# Altium PCB PCB-ZB206B-0B.PcbDoc (part 6 of 7) (continued)
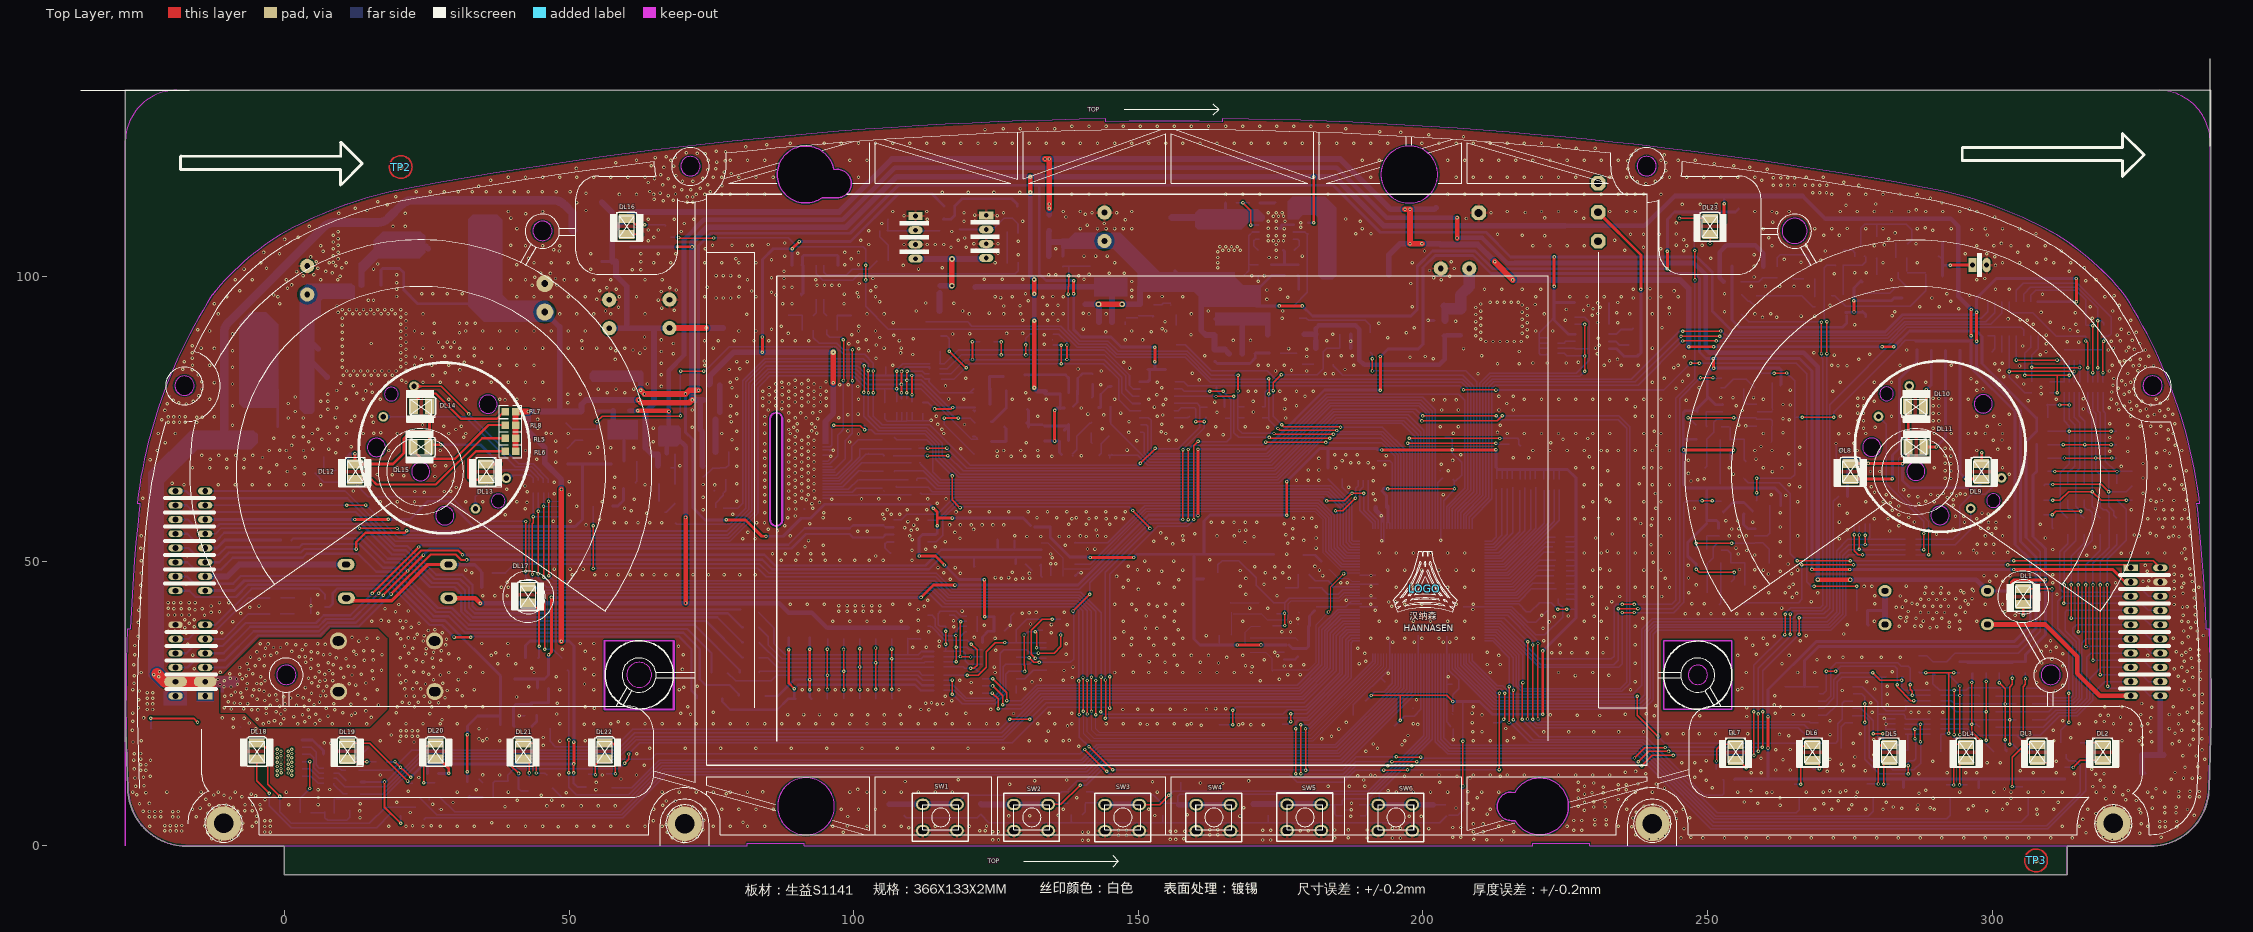
[diagram p0: Top Layer view]
## Nets (pads, with @x,y where several pads share a name; then routed paths per layer and width w, separated by ;. In a path a pad name is that pad's centre, name@x,y a point inside that pad or via, vN(x,y) a via of type N, cw(c..) or ccw(c..) an arc to the next point about the centre after c; other vN are vias at no path point) (continued)
RS1: R4.1 U2.8 U10.74 | length 95.8
  Top Layer w0.25: v1(183.09,60.61) 186.2,60.61 v1@187.53,61.94 ; v1(187.55,61.95) 187.565,61.965 v1(189.586,61.965)
  Bottom Layer w0.25: U2.8@107.018,57.318 108.328,57.318 109.29,58.28 114.693,58.28 117.655,61.242 182.458,61.242 v1(183.09,60.61) ; R4.1@185.81,64.48 185.81,62.983 186.843,61.95 v1(187.55,61.95) v1@187.565,61.965 ; v1@189.535,61.965 189.586,61.914 189.586,59.004 191.65,56.94 U10.74@191.65,55.76
RST: DZ6.1 DZ6.3 J1.5 R34.2 U10.54 | length 38.7
  Top Layer w0.25: v1(175.69,40.86) 175.69,38.76 v1(175.73,38.72)
  Bottom Layer w0.25: J1.5@164,48.01 164,49.41 164.72,50.13 167.664,50.13 170.7,47.094 170.7,45.82 173.802,42.718 DZ6.1@174.344,42.718 175.682,42.718 175.69,42.71 ; R34.2@173.58,38.72 v1(175.73,38.72) ; DZ6.3@174.344,40.818 175.652,40.818 v1@175.67,40.8 ; v1(175.69,40.86) 175.69,42.71 ; U10.54@188.9,44.51 186.181,44.51 185.222,43.552 176.532,43.552 175.69,42.71
SCL: RP3.3 U7.6 U8.6 U10.104 | length 63.1
  Bottom Layer w0.25: U10.104@206.65,55.76 206.65,58.49 209.962,61.802 209.962,81.311 211.709,83.058 226.949,83.058 229.235,85.344 229.235,87.355 ; RP3.3@223.719,87.435 226.649,87.435 U7.6@226.729,87.355 229.235,87.355 ; U8.6@226.659,92.905 228.419,92.905 229.235,92.089 229.235,87.355
SCL_TW8835: R154.2 U10.142 | length 215
  Top Layer w0.25: v1@112.96,68.69 v1(112.96,68.58) v1(116.535,68.58) ; v1(199.83,74.66) 213.03,74.66 v1(213.96,75.59)
  Bottom Layer w0.25: R154.2@106.972,68.577 112.957,68.577 v1(112.96,68.58) ; v1(116.535,68.58) 119.237,65.878 173.965,65.878 184.327,76.24 198.25,76.24 v1(199.83,74.66) ; U10.142@210.9,37.01 212.69,37.01 216.372,33.328 216.372,28.124 217.365,27.132 234.937,27.132 236.33,28.525 236.33,73.67 234.41,75.59 v1(213.96,75.59)
SDA: RP3.4 U7.5 U8.5 U10.105 | length 60.6
  Top Layer w0.25: v1(228.429,83.4) v1(228.429,86.065) v1(228.429,91.615)
  Bottom Layer w0.25: U10.105@207.15,55.76 207.15,58.22 210.54,61.61 210.54,81.127 211.963,82.55 227.579,82.55 v1(228.429,83.4) ; RP3.4@223.719,86.535 224.799,86.535 225.249,86.085 U7.5@226.729,86.085 v1@228.469,86.085 ; U8.5@226.659,91.635 228.479,91.635 v1@228.499,91.615
SDA_TW8835: R155.2 U10.141 | length 208.7
  Top Layer w0.25: v1(113.04,69.9) v1(116.37,69.9) ; v1(199.95,75.54) 212.89,75.54 v1(212.91,75.56)
  Bottom Layer w0.25: R155.2@111.422,70.38 R155.2@111.46,70.38 ; R155.2@111.45,69.9 v1(113.04,69.9) ; v1(116.37,69.9) 119.892,66.378 173.758,66.378 184.137,76.757 198.733,76.757 v1(199.95,75.54) ; U10.141@210.9,37.51 212.904,37.51 216.872,33.542 216.872,28.338 217.577,27.632 234.702,27.632 235.81,28.74 235.81,73.39 234.29,74.91 213.56,74.91 v1(212.91,75.56)
SP-PWM: D29.1 U10.37 | length 211.4
  Top Layer w0.25: v1(177.66,20.6) 177.67,20.59 v1@177.67,12.61 ; v1(193.81,14.1) v1(198.04,14.1) ; v1(238.46,14.1) 240.26,15.9 v1(243.97,15.9) ; v1(258.14,23.55) 258.14,16.02 v1@258.16,16 ; v1@263.65,37.22 263.68,37.25 v1(263.68,40.7) ; v1(270.03,92) 270.03,86.51 v1(270.04,86.5)
  Bottom Layer w0.25: v1@177.61,12.47 178.16,11.92 185.991,11.92 188.171,14.1 v1(193.81,14.1) ; v1@177.67,20.61 177.67,21.69 178.02,22.04 179.94,22.04 187.41,29.51 187.41,35.72 187.7,36.01 U10.37@188.9,36.01 ; v1(198.04,14.1) v1(238.46,14.1) ; v1(243.97,15.9) 244.07,16 v1@258.16,16 ; D29.1@255.97,93.4 257.245,92.125 ; 257.22,92.1 257.24,92.12 269.91,92.12 v1(270.03,92) ; v1(258.14,23.55) 258.14,31.71 v1(263.562,37.132) v1@263.65,37.22 ; v1@263.67,40.73 263.67,40.829 v1@263.78,40.939 ; v1(263.68,40.7) 263.78,40.8 v1@263.78,40.939 ; v1(270.04,86.5) 270.04,85.8 270.256,85.584 270.256,42.266 269.8,41.81 264.651,41.81 v1@263.78,40.939
  other v1: 177.66,12.67 258.17,15.93
SPLIT: C3.1 U1.5 | length 2.6
  Bottom Layer w0.3: U1.5@132.72,49.271 U1.5@132.907,49.458 132.907,47.423 C3.1@133.12,47.21
SW101: C55.2 DZ12.6 R11.2 SW1.1 U10.22 | length 107.4
  Bottom Layer w0.25: C55.2@106.32,7.02 C55.2@106.435,7.135 ; SW1.1@112.142,7.287 SW1.1@112.268,7.287 ; SW1.1@118.053,7.373 119.58,8.9 135.94,8.9 136.53,9.49 DZ12.6@137.83,9.49 ; 137.614,9.754 139.31,11.45 140.871,11.45 144.039,14.618 185.778,14.618 198.15,26.99 U10.22@198.15,33.76
  Bottom Layer w1: C55.2@106.26,7.31 112.142,7.31 SW1.1@112.166,7.31 ; SW1.1@112.142,7.287 SW1.1@112.166,7.31 ; SW1.1@118.142,7.287 118.056,7.373 118.053,7.373 112.228,7.373 SW1.1@112.166,7.31
SW102: C20.2 DZ12.4 R15.2 SW2.1 U10.21 | length 109.2
  Top Layer w0.254: SW2.1@134.152,7.277 136.387,7.277 139.775,10.665 139.785,10.665 v1(139.79,10.66)
  Bottom Layer w0.25: 185.45,14.067 186.007,14.067 198.65,26.71 U10.21@198.65,33.76
  Bottom Layer w0.254: R15.2@122.2,7.19 122.287,7.277 C20.2@124.583,7.277 ; C20.2@124.54,7.34 124.53,7.33 C20.2@124.583,7.277 ; SW2.1@134.942,6.678 SW2.1@134.248,7.372 ; DZ12.4@137.73,7.53 134.406,7.53 SW2.1@134.248,7.372 ; v1(139.79,10.66) 140.85,10.66 141.6,11.41 ; 140.915,10.725 144.257,14.067 185.45,14.067 ; C20.2@124.583,7.277 SW2.1@128.152,7.277 SW2.1@134.152,7.277 SW2.1@134.248,7.372
  Bottom Layer w1: R15.2@122.31,7.42 122.453,7.277 124.583,7.277 SW2.1@134.152,7.277
SW103: C50.2 DZ12.3 R56.2 SW3.1 U10.18 | length 83.9
  Top Layer w0.25: SW3.1@149.78,7.257 153.737,7.257 v1(155.37,8.89)
  Bottom Layer w0.25: R56.2@140.16,5.48 140.67,5.99 DZ12.3@140.67,7.41 ; DZ12.3@140.72,7.58 143.829,7.58 SW3.1@144.152,7.257 ; SW3.1@143.348,6.678 SW3.1@144.02,7.35 ; SW3.1@150.097,7.257 SW3.1@150.1,7.26 ; v1(155.37,8.89) 156.12,9.64 190.42,9.64 200.15,19.37 U10.18@200.15,33.76 ; C50.2@157.47,11.15 157.47,9.69 157.5,9.66
  Bottom Layer w1: SW3.1@144.152,7.257 SW3.1@150.097,7.257
SW104: C88.2 DZ12.1 R73.2 SW4.1 U10.17 | length 91.2
  Top Layer w0.25: SW4.1@166.192,7.237 SW4.1@167.097,7.237
  Bottom Layer w0.2: U10.17@200.65,33.75 U10.17@200.65,33.76
  Bottom Layer w0.25: DZ12.1@140.81,9.51 141.98,9.51 142.52,8.97 152.65,8.97 154.13,7.49 C88.2@156.9,7.49 ; C88.2@156.9,7.32 C88.2@156.9,7.49 ; C88.2@156.985,7.405 C88.2@157.153,7.237 ; U10.17@200.65,33.75 200.65,19.159 190.561,9.07 157.29,9.07 156.9,8.68 C88.2@156.9,7.49
  Bottom Layer w1: C88.2@157.153,7.237 SW4.1@166.192,7.237
SW105: C38.1 DZ9.1 DZ9.3 R42.1 SW5.1 U10.16 | length 54.5
  Bottom Layer w0.25: C38.1@170.11,7.38 C38.1@170.17,7.32 ; SW5.1@182.142,7.297 182.174,7.329 SW5.1@182.21,7.364 ; SW5.1@182.27,7.232 DZ9.3@185.846,7.232 185.846,7.956 186.13,8.24 190.441,8.24 201.043,18.842 ; 184.48,7.19 184.48,5.66 184.808,5.332 DZ9.1@185.846,5.332 ; 201.017,18.817 201.15,18.949 U10.16@201.15,33.78
  Bottom Layer w1: C38.1@170.21,7.36 182.143,7.36 182.174,7.329 182.27,7.232 182.206,7.232 SW5.1@182.142,7.297
SW106: C35.2 DZ9.4 DZ9.6 R31.1 SW6.1 U10.15 | length 58.6
  Top Layer w0.25: SW6.1@198.142,7.247 SW6.1@198.657,7.247
  Top Layer w0.254: SW6.1@192.094,7.294 SW6.1@192.142,7.247
  Bottom Layer w0.2: U10.15@201.65,33.74 U10.15@201.65,33.76
  Bottom Layer w0.25: DZ9.6@188.996,5.307 DZ9.6@189.25,5.307 ; DZ9.6@189.25,5.3 189.9,5.3 190.11,5.51 190.11,6.28 ; 190.11,6.29 190.11,7.247 ; SW6.1@192.32,7.25 192.32,9.409 201.65,18.739 U10.15@201.65,33.74
  Bottom Layer w0.254: DZ9.4@188.84,7.27 188.863,7.247 190.11,7.247 SW6.1@192.142,7.247 ; SW6.1@192.32,7.247 201.797,7.247 C35.2@201.8,7.25 R31.1@204.02,7.25
  Bottom Layer w1: SW6.1@192.142,7.247 192.146,7.25 192.32,7.25 C35.2@201.8,7.25
TV1: C201.2 U21.1 | length 39.6
  Bottom Layer w0.25: U21.1@93.43,102 93.43,100.54 94.58,99.39 99.822,99.39 100.933,100.502 128.402,100.502 128.94,101.04 C201.2@128.94,102.55
TV2: C202.2 U21.2 | length 12
  Bottom Layer w0.25: U21.2@94.66,102 U21.2@94.66,102.05 ; U21.2@94.7,102 94.7,100.78 95.15,100.33 98.781,100.33 99.746,101.295 102.615,101.295 C202.2@104.16,102.84
V: C2.2 C83.2 C104.2 C106.2 C107.2 CP1.1 CP15.1 D2.1 D7.2 L4.1 Q39.3 R2.1 R44.2 R71.2 R110.2 R123.2 R124.2 R176.1 R199.1 | length 451.5
  Top Layer w0.5: v1(246.72,87.7) v1(251.07,87.7) ; v1(280.68,87.7) v1(282.73,87.7)
  Top Layer w1: CP15.1@67.64,90.98 67.66,91 v1(74.07,91) ; v1(133.604,120.688) v1(134.366,120.688) ; v1(134.366,112.014) v1(134.366,112.776) v1@134.366,120.644 ; v1(196.85,111.84) v1(197.739,111.84) v1(197.739,105.791) v1(199.828,105.791) ; v1(212.61,102.667) 212.61,102.63 v1(215.8,99.44)
  Bottom Layer w0.3: R199.1@287.147,33.407 288.561,33.407 R44.2@289.611,32.357 R71.2@292.024,32.357 293.5,33.833 304.597,33.833 308.483,37.719 308.483,51.689 305.943,54.229
  Bottom Layer w0.5: C83.2@55.72,102.65 57.573,102.65 58.24,102.65 C107.2@58.25,102.66 ; v1(251.07,87.7) v1(280.68,87.7) ; v1(282.73,87.7) 285.47,90.44 297.32,90.44 298.24,89.52 298.24,84.74 307.745,75.235 R124.2@307.853,75.235 R123.2@307.853,72.873 305.943,70.963 305.943,54.229
  Bottom Layer w1: C2.2@55.74,113.08 57.573,111.247 C107.2@57.573,102.65 ; CP1.1@57.051,90.957 60.14,90.957 ; D7.2@57.877,108.175 61.081,111.379 97.409,111.379 106.718,120.688 v1(133.604,120.688) v1@133.626,120.688 ; C107.2@58.25,102.66 58.25,100.19 60.14,98.3 60.14,90.957 ; R110.2@65.61,66.82 Q39.3@65.61,68.67 ; Q39.3@65.61,68.75 64.6,68.75 63.43,69.92 63.43,76.19 R2.1@64.92,77.68 64.92,90.78 65.097,90.957 ; CP15.1@67.64,90.98 67.617,90.957 65.097,90.957 ; v1(74.07,91) D2.1@77.08,91 ; v1@133.604,120.71 v1@133.626,120.688 ; R176.1@134.366,110.877 v1(134.366,112.014) v1(134.366,112.776) ; L4.1@194.023,100.33 194.023,103.853 195.961,105.791 v1(197.739,105.791) v1(199.828,105.791) 202.946,105.791 203.077,105.66 209.617,105.66 v1(212.61,102.667) ; C104.2@202.311,112.141 202.01,111.84 v1(197.739,111.84) v1(196.85,111.84) 194.32,111.84 185.472,120.688 v1(134.366,120.688) v1@133.626,120.688 ; v1(215.8,99.44) 245.23,99.44 246.71,97.96 v1@246.71,87.69 ; 60.14,90.957 65.097,90.957
V1: C1.1 Q39.2 R2.2 R17.2 R49.2 R51.2 R52.2 R72.2 R77.2 R80.2 R82.2 R91.2 R92.2 R94.2 R108.2 R109.2 R112.2 R113.2 R119.2 R120.2 R121.2 R122.2 R125.2 R126.2 R166.2 R168.2 | length 529.2
  Top Layer w0.5: v1(303.424,44.81) 303.424,46.376 303.784,46.736 v1(309.372,46.736)
  Top Layer w0.8: R80.2@28.85,43.52 33.53,43.52 v1(34.4,42.65) ; v1(62.06,76.44) 67.41,76.44 v1(67.53,76.32) ; v1(70.46,42.67) v1(70.46,57.7) ; v1@206.01,106.71 v1(206.01,106.81) v1(206.01,110.37) ; v5@269.367,46.78 v5(275.07,46.78)
  Bottom Layer w0.5: R113.2@294.31,32.357 R166.2@296.596,32.357 R91.2@301.295,32.357 R112.2@305.867,32.357 305.867,33.579 309.372,37.084 v1(309.372,46.736) 309.372,52.197 307.213,54.356 R125.2@307.213,58.166 R119.2@307.213,60.706 R121.2@307.213,63.246 307.213,65.146 R122.2@307.853,65.786 R126.2@307.853,70.51 ; 295.707,32.23 R94.2@303.581,32.23 ; R109.2@299.19,44.81 v1(303.424,44.81)
  Bottom Layer w0.8: v1(34.4,42.65) 34.41,42.66 v1@70.45,42.66 ; R17.2@60.57,76.44 v1(62.06,76.44) ; Q39.2@67.12,68.975 Q39.2@67.12,71.525 ; R2.2@67.72,77.68 R2.2@67.49,77.91 ; v1@70.45,42.68 v1(70.46,42.67) ; v1@70.46,42.66 86.91,42.66 R49.2@88.58,40.99 R108.2@92.29,40.99 92.66,40.99 95.36,38.29 R51.2@95.41,38.29 R52.2@98.226,38.29 R168.2@101.042,38.29 R72.2@103.858,38.29 R77.2@106.674,38.29 R82.2@109.49,38.29 ; v1(70.46,57.7) 70.47,57.69 70.47,70.19 69.135,71.525 Q39.2@67.12,71.525 ; v1@206,110.36 193.64,110.36 184.874,119.126 107.188,119.126 98.044,109.982 73.66,109.982 70.18,106.502 70.18,86.18 67.49,83.49 R2.2@67.49,77.91 ; v1(206.01,106.81) 210.436,106.81 214.846,102.4 216.144,102.4 ; 216.154,102.41 247.602,102.41 249.682,100.33 249.682,87.338 250.35,86.67 266.89,86.67 269.367,84.193 v5(269.367,46.79) ; v5(275.07,46.78) 297.22,46.78 R109.2@299.19,44.81 ; Q39.2@67.12,71.525 Q39.2@67.11,71.525 67.49,71.905 C1.1@67.49,74.93 R2.2@67.49,77.91
V-5V: R135.1 U10.91 | length 184.4
  Top Layer w0.25: v1(102.56,83.51) 102.56,79.62 v1(102.59,79.59)
  Bottom Layer w0.25: R135.1@77.12,59.32 79.64,59.32 80.51,60.19 80.51,81.739 84.369,85.598 101.702,85.598 102.56,84.74 v1(102.56,83.51) ; v1(102.59,79.59) 102.59,75.566 104.702,73.453 112.867,73.453 115.545,70.775 115.545,68.449 118.674,65.32 174.12,65.32 184.538,75.738 197.439,75.738 200.15,73.027 U10.91@200.15,55.76
V-POW: D12.1 U10.90 | length 193.2
  Top Layer w0.25: v1(101.74,79.67) 101.83,79.76 v1(101.83,84.33)
  Bottom Layer w0.25: D12.1@68.65,56.76 68.895,56.515 78.204,56.515 81.01,59.321 81.01,81.52 84.53,85.04 101.12,85.04 v1(101.83,84.33) ; v1(101.74,79.67) 101.74,75.527 104.315,72.952 112.652,72.952 114.96,70.643 114.96,68.323 118.472,64.812 174.323,64.812 184.746,75.236 197.052,75.236 199.65,72.638 U10.90@199.65,55.76
V-POW1: D26.1 U10.101 | length 81
  Bottom Layer w0.25: D26.1@156.67,88.065 158.264,88.065 162.809,83.52 172.639,83.52 174.149,82.01 206.964,82.01 208.4,80.574 208.4,62.449 205.15,59.199 U10.101@205.15,55.76
V-POW2: D15.1 U10.102 | length 52.7
  Bottom Layer w0.25: D15.1@184.248,84.582 184.248,84.357 185.955,82.65 207.034,82.65 208.92,80.764 208.92,62.259 205.65,58.989 U10.102@205.65,55.76
WDI: R37.1 U6.6 U10.61 | length 35.5
  Top Layer w0.2: v1@183.39,41.09 183.83,41.53 183.83,45.57 v1@185.99,47.73
  Bottom Layer w0.2: U6.6@169.657,34.028 U6.6@170.06,34.028 172.422,34.028 173.54,32.91 173.54,30.77 173.58,30.73 173.807,30.957 179.957,30.957 181.242,32.242 181.242,38.892 v1@183.535,41.185 ; v1@185.99,47.73 186.25,47.99 U10.61@188.14,47.99 ; U10.61@188.14,48.02 U10.61@188.88,48.02 ; U10.61@188.88,48.01 U10.61@188.9,48.01
  other v1: 183.4,41.09 186.06,47.85
YIN1: C205.2 J2.11 TP14.1 | length 33.4
  Top Layer w0.25: v1@99.76,87.17 v1(99.78,87.15) v1(99.78,81.71)
  Bottom Layer w0.25: C205.2@92.9,90.63 92.9,89.3 93.93,88.27 97.06,88.27 98.16,87.17 v1@99.76,87.17 ; J2.11@94.575,66.12 96.545,66.12 98.476,68.051 98.476,71.206 99.77,72.5 v1@99.77,81.71
YIN2: C206.2 J2.13 TP15.1 | length 28.3
  Top Layer w0.25: v1@98.07,81.78 98.23,81.94 98.23,88.9 v1(98.18,88.95)
  Bottom Layer w0.25: J2.13@94.575,67.12 95.771,67.12 97.206,68.555 97.206,72.166 TP15.1@97.655,72.615 98.2,73.16 98.2,81.65 v1@98.07,81.78 ; C206.2@95.22,90.64 95.22,89.88 95.77,89.33 97.8,89.33 v1(98.18,88.95)
  other v1: 98.19,81.77
pads on no net: BT1.3 BT1.4 DZ4.5 DZ5.5 DZ6.5 DZ7.5 DZ8.5 DZ9.5 DZ10.5 DZ11.5 DZ12.5 DZ13.5 DZ14.5 DZ15.5 J1.2 J1.3 J2.15 J2.17 RP1.4 RP3.1 RP14.6 TP1.1 TP2.1 TP3.1 TP4.1 U6.5 U9.7 U9.11 U10.59 U13.1 U21.3 U21.6

## Polygon pours and split planes (outlines as drawn)
+B on Top Layer "Bottom Layer-No Net 2" (solid, remove dead copper, pour order 24): -15.51,29.86 -10.79,29.86 -10.6,30.05 -4.3,36.35 6.37,36.35 6.51,36.35 8.11,37.95 8.25,38.09 13.98,38.09 16.4,38.09 17.89,36.6 18.01,36.48 18.01,23.979 14.986,20.955 -4.375,20.955 -6.79,23.37 -6.79,23.43 -11.2,23.43 -11.22,23.45 -11.23,23.46 -11.23,27.75 -11.23,27.77 -11.33,27.87 -12.37,27.87 -15.28,27.87 -15.53,28.12 -15.51,28.14 -15.51,29.84
GND on Top Layer "Bottom Layer-No Net 2" (solid, remove dead copper, pour order 44): -27.99,132.78 338.17,132.78 338.17,0.18 338.16,0.17 338,0.01 328.36,0.01 -27.76,0.01 -27.97,-0.2 -27.97,132.73
GND on Bottom Layer "Bottom Layer-No Net 2" (solid, remove dead copper, pour order 30): 153.5,132.79 153.4,132.69 -28.01,132.69 -28.01,0.05 -27.97,0.01 -27.96,0 213.03,0 213.03,30.94 212.98,30.99 212.81,31.16 209.67,31.16 189.73,31.16 189.57,31.32 189.46,31.43 189.46,36.09 189.46,132.58 189.71,132.83 152.13,132.83
+B on Bottom Layer "Bottom Layer-No Net 2" (solid, remove dead copper, pour order 25): -11.22,28.07 -11.22,24.76 -11.22,23.38 -6.81,23.38 -5.97,22.54 -5.96,22.53 -5.06,22.53 -5.06,30.41 -5.59,30.94 -5.67,30.86 -8.59,30.86 -9.78,30.86 -10.21,30.43 -10.89,29.75 -13.38,29.75 -14.6,29.75 -14.64,29.79 -14.88,29.79 -15.24,29.79 -15.44,29.59 -15.48,29.55 -15.48,29.1 -15.48,28.16 -15.31,27.99 -15.24,27.92 -11.79,27.92 -11.38,27.92 -11.23,28.07
GND on Bottom Layer "Top Layer-No Net" (solid, remove dead copper, pour order 42): 67.37,109.49 67.37,105.3 66.55,104.48 65.95,105.08 63.18,105.08 63.18,108.19 63.37,108.38 64.56,109.57 67.39,109.57
GND on Bottom Layer "Bottom Layer-No Net" (solid, remove dead copper, pour order 36): 192.625,44.46 197.16,44.46 197.16,40.69 192.657,40.69 192.625,40.718 192.625,44.46
GND on Bottom Layer "Bottom Layer-No Net" (solid, remove dead copper, pour order 40): 190.341,48.492 192.308,48.492 192.384,48.492 192.384,43.641 193.857,43.641 193.857,42.523 193.832,42.498 192.384,42.498 192.384,40.847 190.341,40.847 190.341,48.492
GND on Bottom Layer "Bottom Layer-No Net" (solid, remove dead copper, pour order 38): 190.277,48.752 192.625,48.752 192.625,43.291 194.123,43.291 194.123,54.264 190.39,54.264 190.277,54.152 190.277,48.752
GND on Bottom Layer "Bottom Layer-No Net" (solid, remove dead copper, pour order 37): 190.249,40.128 193.842,40.128 193.842,41.677 195.112,41.677 195.112,40.128 209.463,40.128 209.463,36.092 208.594,35.223 190.313,35.223 190.313,40.064 190.249,40.128
GND on Bottom Layer "Bottom Layer-No Net" (solid, remove dead copper, pour order 41): 209.412,44.445 209.412,40.711 196.56,40.711 196.585,40.737 196.585,42.464 195.087,42.464 195.087,43.531 196.585,43.531 196.585,44.445 209.412,44.445
GND on Bottom Layer "Bottom Layer-No Net" (solid, remove dead copper, pour order 39): 194.371,43.264 194.371,54.263 209.382,54.263 209.382,44.788 196.149,44.788 196.149,43.264 194.371,43.264
OUT2 on Bottom Layer "Bottom Layer-No Net 1" (solid, remove dead copper, pour order 22): -1.97,10.42 -20.82,10.42 -20.96,10.42 -21.81,11.27 -21.81,13.32 -21.81,27.27 -21.71,27.37 -17.25,27.37 -16.77,26.89 -16.76,26.88 -16.76,25.42 -16.76,17.08 -14.43,14.75 -13.76,14.08 -4.33,14.08 -2.17,14.08 -2.1,14.01 -1.92,13.83 -1.92,10.54 -1.92,10.47 -1.97,10.42
OUT1 on Bottom Layer "Bottom Layer-No Net 1" (solid, remove dead copper, pour order 21): -6.02,19.875 -6.015,19.88 -2.63,19.88 -2.42,19.88 -2.16,19.62 -2.01,19.47 -2.01,18.95 -2.01,15.92 -2.16,15.77 -2.29,15.64 -2.52,15.64 -14.06,15.64 -15.19,16.77 -16.04,17.62 -16.04,17.86 -16.04,19.34 -15.77,19.61 -15.505,19.875 -11.15,19.875
+B on Bottom Layer "Bottom Layer-No Net 1" (solid, remove dead copper, pour order 20): -1.65,21.209 -1.65,21.336 -1.65,21.36 -1.65,16.92 -1.65,11.42 -1.22,10.99 -1.21,10.98 0.45,10.98 1.15,10.98 1.41,11.24 1.67,11.5 1.67,11.94 1.67,21.29 1.82,21.44 1.65,21.61 1.65,21.75 -1.51,21.75 -1.66,21.6 -1.66,20.35
OUT1 on Bottom Layer "Bottom Layer-No Net 1" (solid, remove dead copper, pour order 28): -15.94,27.39 -12.09,27.39 -11.79,27.094 -11.79,27.084 -11.79,20.506 -11.15,19.875 -6.02,19.875 -5.9,19.757 -5.89,19.747 -5.89,18.317 -5.89,16.788 -6.02,16.66 -6.2,16.66 -14.89,16.66 -16.04,17.794 -16.04,27.291 -15.94,27.39
+B on Bottom Layer "Bottom Layer-No Net 2" (solid, remove dead copper, pour order 23): -14.68,29.75 -10.91,29.75 -6.94,33.72 -4.32,36.34 5.85,36.34 6.39,36.34 7.65,37.6 8.13,38.08 13.16,38.08 16.42,38.08 16.85,37.65 17.99,36.51 17.99,30.98 17.99,23.959 14.986,20.955 -4.385,20.955 -11.32,27.89 -11.86,27.89 -14.22,27.89 -14.44,28.11 -14.81,28.48 -14.81,29.01 -14.81,29.62 -14.69,29.74
GND on Bottom Layer "Bottom Layer-No Net 2" (solid, remove dead copper, pour order 27): 153.22,127.68 153.46,127.92 338.04,127.92 338.04,0.33 338.18,0.19 337.94,-0.05 328.65,-0.05 211.18,-0.05 210.87,0.26 210.77,0.36 210.77,37.13 210.77,56.25 210.81,56.29 197.69,56.29 156.8,56.29 154.26,58.83 153.19,59.9 153.19,127.62 153.19,127.75 153.4,127.96

## Keep-outs
Keep-Out Layer:
  circle w0.127: c91.608,6.954 r5
  circle w0.127: c197.608,117.954 r5
  circle w0.127: c328.209,80.865 r1.7
  circle w0.127: c265.315,108.05 r2.2
  circle w0.127: c310.315,30.05 r1.7
  circle w0.127: c248.315,30.05 r1.7
  circle w0.127: c239.315,119.427 r1.7
  circle w0.127: c71.315,119.427 r1.7
  circle w0.127: c45.315,108.05 r1.7
  circle w0.127: c-17.58,80.865 r1.7
  circle w0.127: c0.314,30.05 r1.7
  circle w0.127: c62.315,30.05 r2.2
  lines w0.127: -27.95,18.41 -27.95,123.93 ; -27.95,123.86 cw(c-19.005,123.785) -18.93,132.73 ; -19.167,132.737 156.95,132.737 ; -17.397,0 cw(c-17.223,10.269) -27.491,10.045 ; -12.748,96.715 cw(c22.748,68.813) 0.218,107.941 cw(c35.102,43.601) 22.817,115.75 ; 0,-5 0,0 ; 0.006,-5 156.571,-5 313.136,-5 ; 156.22,132.737 329.235,132.737 ; 313.13,-5 313.13,0 ; 328.92,132.737 329.343,132.737 ; 329.33,132.737 cw(c329.226,123.644) 338.32,123.54 ; 338.32,19.46 338.32,123.9 ; -27.491,10.045 ccw(c-17.223,10.269) -17.397,0 81.285,0 81.285,0.5 91.285,0.5 91.285,0 219.285,0 219.285,0.5 229.285,0.5 229.285,0 327.966,0 ; -27.491,10.045 cw(c287.468,25.282) -27.595,38.192 -27.095,38.192 cw(c287.468,25.282) -25.526,59.214 cw(c60.537,49.662) -25.411,60.192 -25.915,60.192 cw(c60.537,49.662) -12.749,96.716 cw(c22.748,68.813) 0.218,107.941 cw(c35.102,43.601) 22.816,115.75 cw(c155.285,-605.255) 144.285,127.736 144.285,127.236 cw(c155.285,-605.255) 164.815,127.256 164.815,127.757 cw(c155.285,-605.255) 287.753,115.75 ; 0.225,107.941 cw(c35.109,43.601) 22.823,115.75 ccw(c35.109,43.601) 0.225,107.941 ; 0.225,107.941 ccw(c22.754,68.813) -12.742,96.716 cw(c22.754,68.813) 0.225,107.941 ; 287.753,115.75 cw(c275.467,43.601) 310.351,107.941 ; 287.753,115.75 cw(c275.467,43.601) 310.351,107.941 ; 310.351,107.941 cw(c287.821,68.813) 323.318,96.716 ; 310.351,107.941 cw(c287.822,68.813) 323.318,96.715 ; 310.358,107.941 ccw(c275.474,43.601) 287.759,115.75 cw(c275.474,43.601) 310.358,107.941 ; 310.358,107.941 cw(c287.828,68.813) 323.324,96.716 ccw(c287.828,68.813) 310.358,107.941 ; 323.318,96.716 cw(c250.032,49.662) 336.484,60.192 335.98,60.192 cw(c250.032,49.662) 336.095,59.214 cw(c23.102,25.282) 337.664,38.192 338.164,38.192 cw(c23.102,25.282) 338.06,10.045 ; 327.966,0 ccw(c327.792,10.269) 338.061,10.045 ; 327.966,0 ccw(c327.792,10.269) 338.06,10.045 ; -27.485,10.045 ccw(c-17.217,10.269) -17.39,0 cw(c-17.217,10.269) -27.485,10.045 ; 94.442,113.869 cw(c91.558,117.954) 96.474,118.869 97.058,118.869 cw(c97.058,116.369) 97.058,113.869 94.442,113.869 ; 94.448,113.869 cw(c91.565,117.954) 96.48,118.869 97.065,118.869 cw(c97.065,116.369) 97.065,113.869 94.448,113.869 ; 215.558,4.454 cw(c215.558,6.954) 215.558,9.454 216.228,9.454 cw(c220.558,6.954) 216.228,4.454 215.558,4.454 ; 215.565,4.454 cw(c215.565,6.954) 215.565,9.454 216.235,9.454 cw(c220.565,6.954) 216.235,4.454 215.565,4.454 ; 327.973,0 ccw(c327.799,10.269) 338.067,10.045 cw(c327.799,10.269) 327.973,0
  lines w0.254: -27.95,-0.01 -27.95,25.12 ; 56.3,23.99 56.3,36 ; 56.315,24 68.315,24 ; 56.315,36 68.315,36 ; 68.33,24.04 68.33,35.99 ; 85.37,57.26 85.37,75.17 ; 85.37,75.07 cw(c86.37,75.07) 87.37,75.07 ; 85.38,57.24 ccw(c86.381,57.229) 87.382,57.229 ; 87.37,75.17 87.39,57.17 ; 242.285,24.005 242.285,36 254.285,36 254.285,24 242.29,24 242.285,24.005

## Other copper
Top Layer:
  rectangle net +B: -13.995,27.86 -12.12,29.85
Bottom Layer:
  rectangle net +B: -11.22,26.97 -10.6,28
  rectangle net OUT1: -15.46,25.28 -12.37,27.11
  rectangle net OUT2: -21.26,24.67 -17.16,27.21
  rectangle net +5V-VT: 94.488,70.587 95.567,74.576
  rectangle net NetQ26_2: 163.449,91.389 173.228,93.726
  rectangle net NetQ8_2: 142.24,96.52 148.082,99.822
  rectangle net NetR17_1: 56.769,71.374 62.103,74.803
  region net NetC102_2: 176.327,110.109 176.251,110.185 176.251,113.233 177.063,114.046 182.855,114.046 184.785,112.116 184.785,100.178 184.15,99.543 182.253,99.543 181.635,100.16 181.635,110.338 181.102,110.871 178.918,110.871 178.562,110.515 178.156,110.109
  region net +12V: 137.744,106.68 138.811,107.747 146.787,107.747 153.746,100.787 166.929,100.787 166.929,100 168.529,98.4 171.348,98.4 171.526,98.222 171.526,94.92 171.298,94.691 161.188,94.691 160.655,95.225 160.655,96.444 159.741,97.358 150.495,97.358 149.86,97.993 149.86,100.609 145.567,104.902 136.601,104.902 136.423,105.08 136.423,106.528 136.576,106.68
  region net NetC19_1: 168.173,108.306 169.596,109.728 171.907,109.728 172.237,110.058 172.237,110.693 171.094,111.836 160.655,111.836 160.02,111.201 160.02,108.763 160.477,108.306
  pour cut-out: 197.383,94.717 196.393,93.726 181.635,93.726 180.848,94.513 180.848,106.324 181.458,106.934 196.723,106.934 197.383,106.274
  pour cut-out: 162.052,114.262 163.043,113.271 163.043,98.514 162.255,97.727 150.444,97.727 149.835,98.336 149.835,113.602 150.495,114.262
  region net +5V: 47.396,92.71 46.787,92.1 44.831,92.1 34.976,92.1 32.283,94.793 32.283,110.058 33.096,110.871 37.389,110.871 38.227,110.033 38.227,96.85 39.319,95.758 46.05,95.758 47.396,94.412
  region net NetDW1_2: 13.919,100.711 16.459,103.251 23.724,103.251 24.689,104.216 24.689,107.188 23.952,107.925 17.221,107.925 15.672,106.375 15.672,104.419 13.106,101.854 13.106,100.973 13.368,100.711
  pour cut-out: 22.136,110.617 23.127,111.608 38.379,111.608 38.989,110.998 38.989,98.806 37.973,97.79 23.406,97.79 22.136,99.06
  pour cut-out: -7.728,92.38 -6.255,93.853 8.515,93.853 9.125,93.243 9.125,81.051 8.109,80.035 -6.458,80.035 -7.728,81.305
  pour cut-out: 319.99,84.455 319.99,86.93 316.286,86.93 316.286,84.455
  pour cut-out: 315.87,84.56 315.87,86.91 312.166,86.91 312.166,84.56
  pour cut-out: 319.992,78.897 319.992,81.247 316.288,81.247 316.288,78.897
  pour cut-out: 315.852,78.897 315.852,81.247 312.148,81.247 312.148,78.897
  region net +B1: 4.826,75.946 5.207,76.327 5.207,92.075 6.35,93.218 6.35,95.758 6.731,96.139 12.192,96.139 12.319,96.266 12.319,98.298 11.811,98.806 3.937,98.806 2.667,97.536 2.667,76.708 3.429,75.946
  region net NetC14_2: -1.143,77.216 -1.397,76.962 -7.239,76.962 -8.001,77.724 -8.001,91.821 -6.096,93.726 -3.175,93.726 -1.143,91.694
  pour cut-out: 162.814,105.918 162.941,105.791 166.816,105.791 168.656,105.791 168.656,107.631 169.61,108.585 169.61,109.028 169.291,109.347 163.576,109.347 162.814,108.585
  region net +B: -20.447,27.838 -21.971,27.838 -23.952,29.82 -23.952,65.608 -16.612,72.949 -5.41,72.949 -4.75,72.288 -4.75,70.79 -5.817,69.723 -15.265,69.723 -21.209,63.779 -21.209,30.963 -20.066,29.82 -20.066,28.219
  region net +5VM: 62.56,83 62.56,81.737 62.357,81.534 54.102,81.534 53.594,82.042 53.594,82.931 54.102,83.439 62.23,83.439 62.484,83.185
  region net V1: 65.786,70.231 65.659,70.358 65.659,73.526 65.913,73.78 69.222,73.78 69.596,73.406 69.596,70.866 68.961,70.231
  pour cut-out: 54.58,86.427 48.08,86.427 48.08,79.927 54.58,79.927
  pour cut-out: -8.636,71.112 -8.636,78.867 -8.255,79.248 -3.572,79.248 -2.81,78.486 -2.81,71.112

## Silkscreen, mask and mechanical layers (free items; w line width, h text height)
Top Overlay:
  drawing of 604 lines, arcs and shapes, not listed
  text "TOP" at 141.159,129.009 h0.8
  text "TOP" at 123.549,-3.081 h0.8
  text "丝印颜色：白色" at 132.619,-8.852 h3
  text "表面处理：镀锡" at 154.488,-8.954 h3
  text "规格：366X133X2MM" at 103.409,-8.979 h3
  text "尺寸误差：+/-0.2mm" at 177.881,-8.979 h3
  text "厚度误差：+/-0.2mm" at 208.742,-9.106 h3
  text "板材：生益S1141" at 80.904,-9.157 h3
Bottom Overlay:
  drawing of 429 lines, arcs and shapes, not listed
  text "BOT" at 143.191,129.847 h0.8 r180
  text "PCB-ZB206B-0B" at 162.814,124.587 h2.5
  text "A" at 177.546,124.587 h1.8
  text "SCH-ZB206B-0B" at 162.814,121.031 h2.5
  text "2016-08-2" at 153.67,117.983 h2
  text "A" at 180.975,112.776 h1.8
  text "12V-1" at 117.602,99.441 h1.8
  text "12V" at 169.418,95.25 h1.8
  text "12V-2" at 198.628,85.09 h1.8
  text "+5V" at 161.57,52.94 h1 r90
  text "GND" at 166.4,52.81 h1 r90
  text "RST" at 164.1,52.74 h1 r90
  text "BKGD" at 168.859,41.681 h1 r90
  text "BOT" at 125.581,-2.243 h0.8 r180